# KiCad board coleco_original.kicad_pcb (continued)
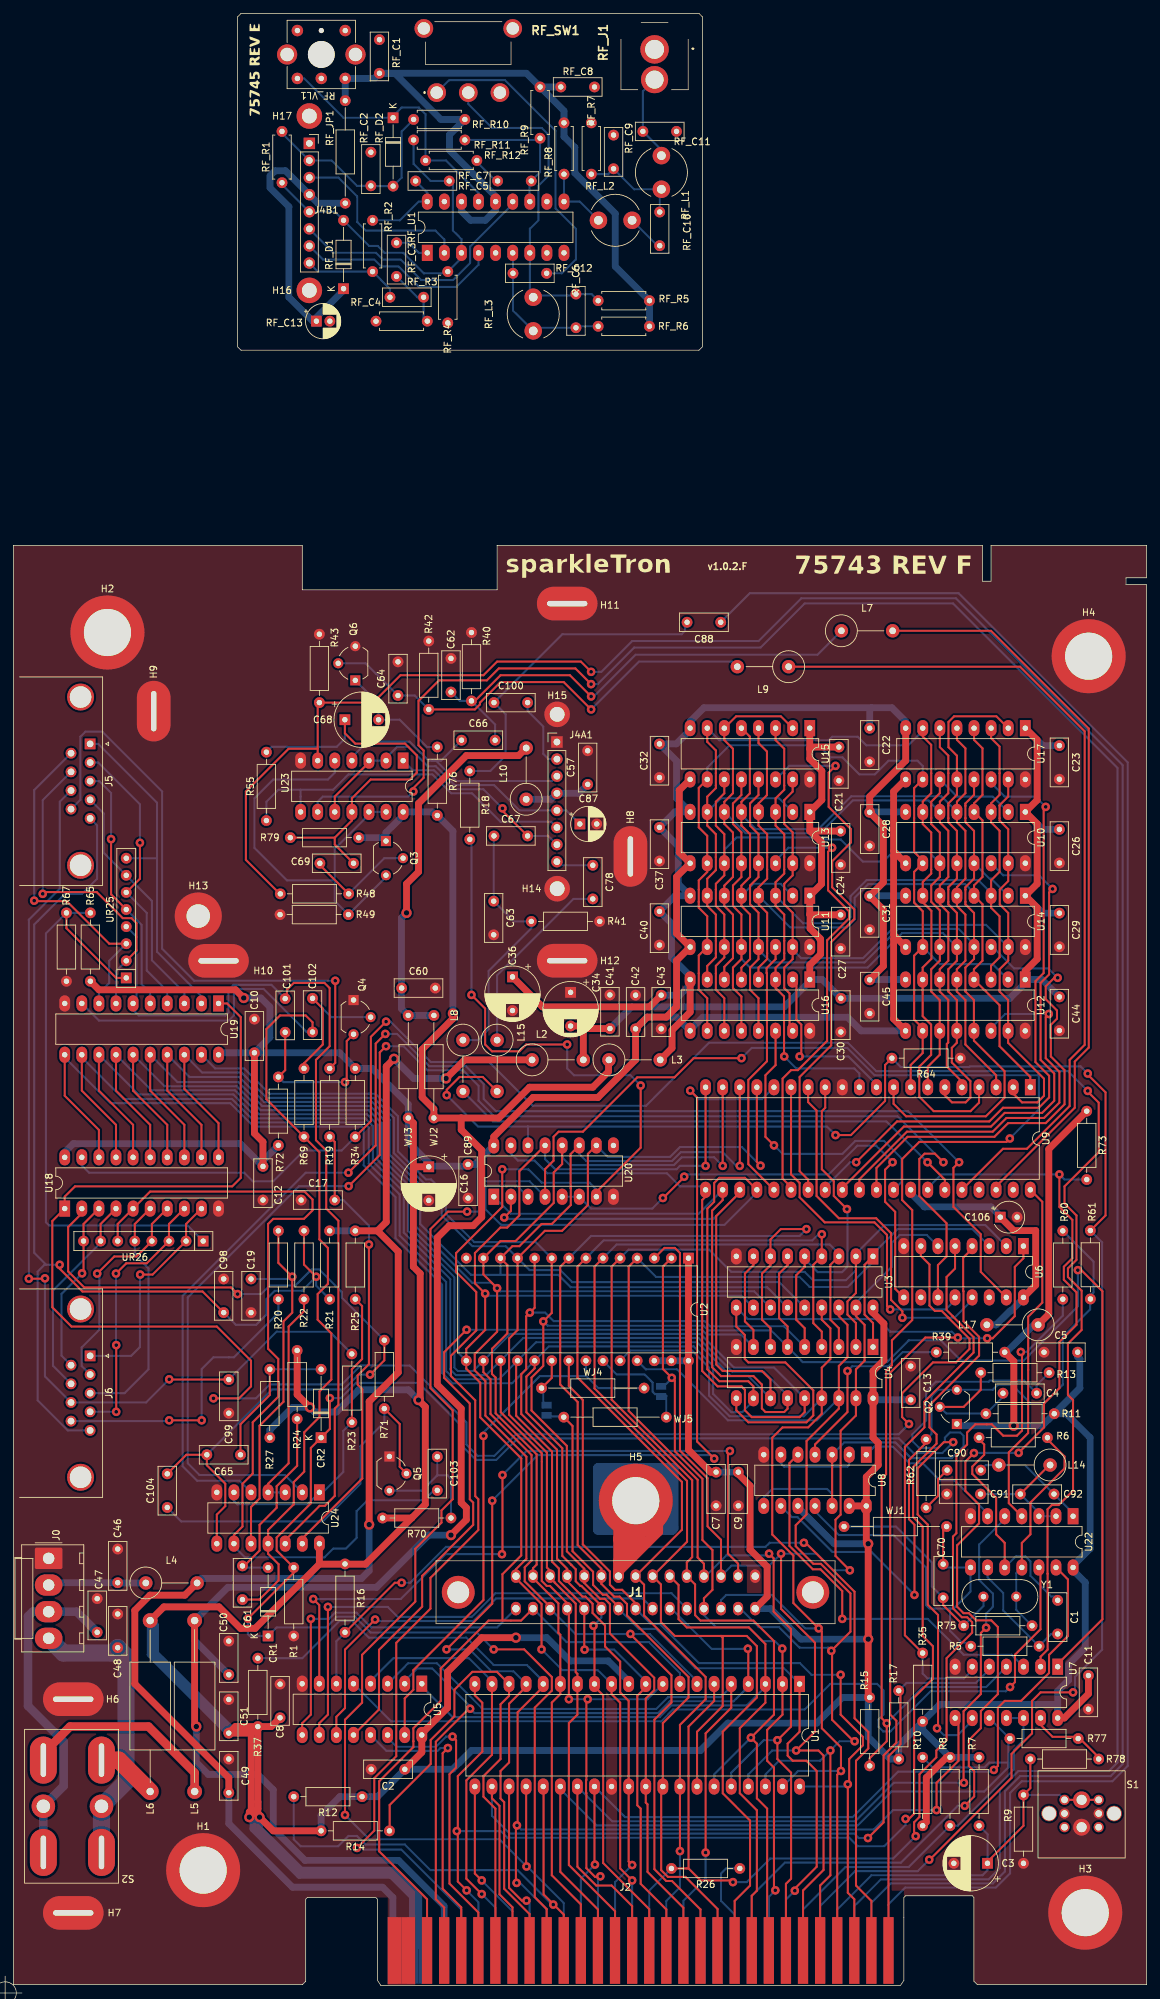
[diagram p0: board, top side]
## Routing (per net, layer and track width the routed paths; a pad name or vN(x,y) marks a point on that pad's centre or on a via; arc(x,y) is an arc through that point) (continued)
Net-(U18-A4): length 35.8
  Top w0.305: UR26.5 18.03,113.16 U18.6
  Bottom w0.305: J6.3 16.52,88.02 20.07,91.57 20.07,106.55 18.03,108.59 UR26.5
Net-(U18-A5): length 32.6
  Top w0.305: v2(12.45,105.79) 14.99,108.33 18.29,108.33 UR26.4 20.57,113.16 U18.7
  Bottom w0.305: J6.2 10.14,92.05 10.14,94.82 12.76,97.44 12.76,105.48 v2(12.45,105.79)
Net-(U18-A6): length 40.1
  Top w0.305: U18.8 23.11,113.16 UR26.3 19.81,107.32 16.76,107.32 v2(15.24,105.79) ; v2(15.27,85.25) v2(15.27,95.16)
  Bottom w0.305: v2(15.27,95.16) 15.24,95.19 v2(15.24,105.79) ; J6.4 v2(15.27,85.25)
Net-(U18-A7): length 33.4
  Top w0.305: v2(18.83,105.64) 20.68,105.64 UR26.2 25.65,113.16 U18.9
  Bottom w0.305: v2(18.83,105.64) 18.8,105.6 18.8,94.87 17.49,93.56 J6.1
Net-(U19-A0): length 50.7
  Bottom w0.305: 21.34,167.51 21.34,153.61 27.94,147.01 U19.2 ; 21.34,167.51 21.34,175.75 12.59,184.49 J5.1 ; 21.34,167.51 21.33,167.5 UR25.8
Net-(U19-A1): length 36.1
  Bottom w0.305: J5.4 13.42,174.16 13.42,168.31 UR25.7 20.57,161.15 20.57,152.34 25.4,147.52 U19.3
Net-(U19-A2): length 42.9
  Top w0.305: UR25.6 18.8,164.46 v2(18.8,169.8)
  Bottom w0.305: v2(18.8,169.8) 18.8,175.52 12.59,181.72 11.39,181.72 ; UR25.6 19.81,159.38 19.81,150.82 22.86,147.77 U19.4
Net-(U19-A3): length 37.5
  Top w0.305: UR25.5 14.51,162.14 v2(14.51,170.34)
  Bottom w0.305: v2(14.51,170.34) 14.51,177.2 12.76,178.95 J5.3 ; UR25.5 19.05,157.6 19.05,148.79 20.32,147.52 U19.5
Net-(U19-A4): length 137.9
  Top w0.305: U24.12 40.39,66.17 45.5,71.28 46.28,71.28 47.75,72.75 47.75,85.73 48.29,86.27 48.29,113.63 46.48,115.44 46.48,124.08 44.96,125.6 44.96,137.54 46.99,139.57 46.99,148.21 46.23,148.97 41.66,148.97 40.64,147.96 40.64,146.9 C101.2
  Bottom w0.305: C101.2 38.34,148.69 32.71,148.69 31.95,147.93 31.95,144.58 31.51,144.15 18.61,144.15 17.78,144.98 U19.6 18.29,146.43 18.29,155.82 UR25.4
Net-(U19-A5): length 49
  Top w0.305: v2(4.35,162.21) 4.61,162.47 12.38,162.47 16.24,158.6 17.55,158.6 18.29,157.86 18.29,153.79 UR25.2
  Bottom w0.305: UR25.2 15.24,150.74 U19.7 ; J5.7 4.35,176.14 v2(4.35,162.21)
Net-(U19-A6): length 51.1
  Top w0.305: v2(3.08,161.2) 3.16,161.12 7.92,161.12 14.23,154.8 UR25.3
  Bottom w0.305: U19.8 12.7,147.45 14.22,148.97 14.22,152.26 UR25.3 ; v2(3.08,161.2) 3.08,177.64 J5.6
Net-(U19-A7): length 149.8
  Top w0.305: C102.2 44.45,143.13 43.43,144.15 39.62,144.15 37.59,142.11 37.59,131.7 R69.1 45.47,123.83 45.47,110.87 46.74,109.6 46.74,104.27 45.21,102.74 45.21,98.93 47.24,96.9 47.24,90.04 45.48,88.28 45.48,84.47 43.21,82.2 43.21,76.36 41.66,74.8 41.66,71.5 37.85,67.69 U24.11 37.85,64.15 39.4,62.6 39.4,60.2 36.55,57.35 C61.2
  Bottom w0.305: C102.2 43.57,141.69 37.17,148.08 33.14,148.08 32.77,147.7 32.77,144.15 32,143.38 12.7,143.38 U19.9
Net-(UR25-common): length 89.5
  Top w0.305: R67.2 7.87,157.1 15.25,149.72 UR25.1
  Bottom w0.305: UR26.1 25.87,112.94 5.3,112.94 4.83,113.41 4.83,156.34 R67.2 R65.2
Net-(WJ1-A): length 32.2
  Top w0.305: R75.2 138.18,56.52 C70.2
  Bottom w0.305: Y1.2 144.16,56.41 R75.2 ; C70.2 136.5,59.29 136.5,62.86 131.16,68.2 WJ1.1

## Copper pours and planes (outline as drawn; the poured copper is in the pictures)
GNDD on Top, Bottom: 169.16,-0.63 -0.51,-0.63 -0.51,214.5 169.16,214.5
GNDD on Bottom: 102.4,242.99 33.31,242.99 33.31,293.02 102.4,293.02

## Text on the board
F.Silkscreen: v1.0.2.F
